# KiCad board S100-Backplane.kicad_pcb (continued)
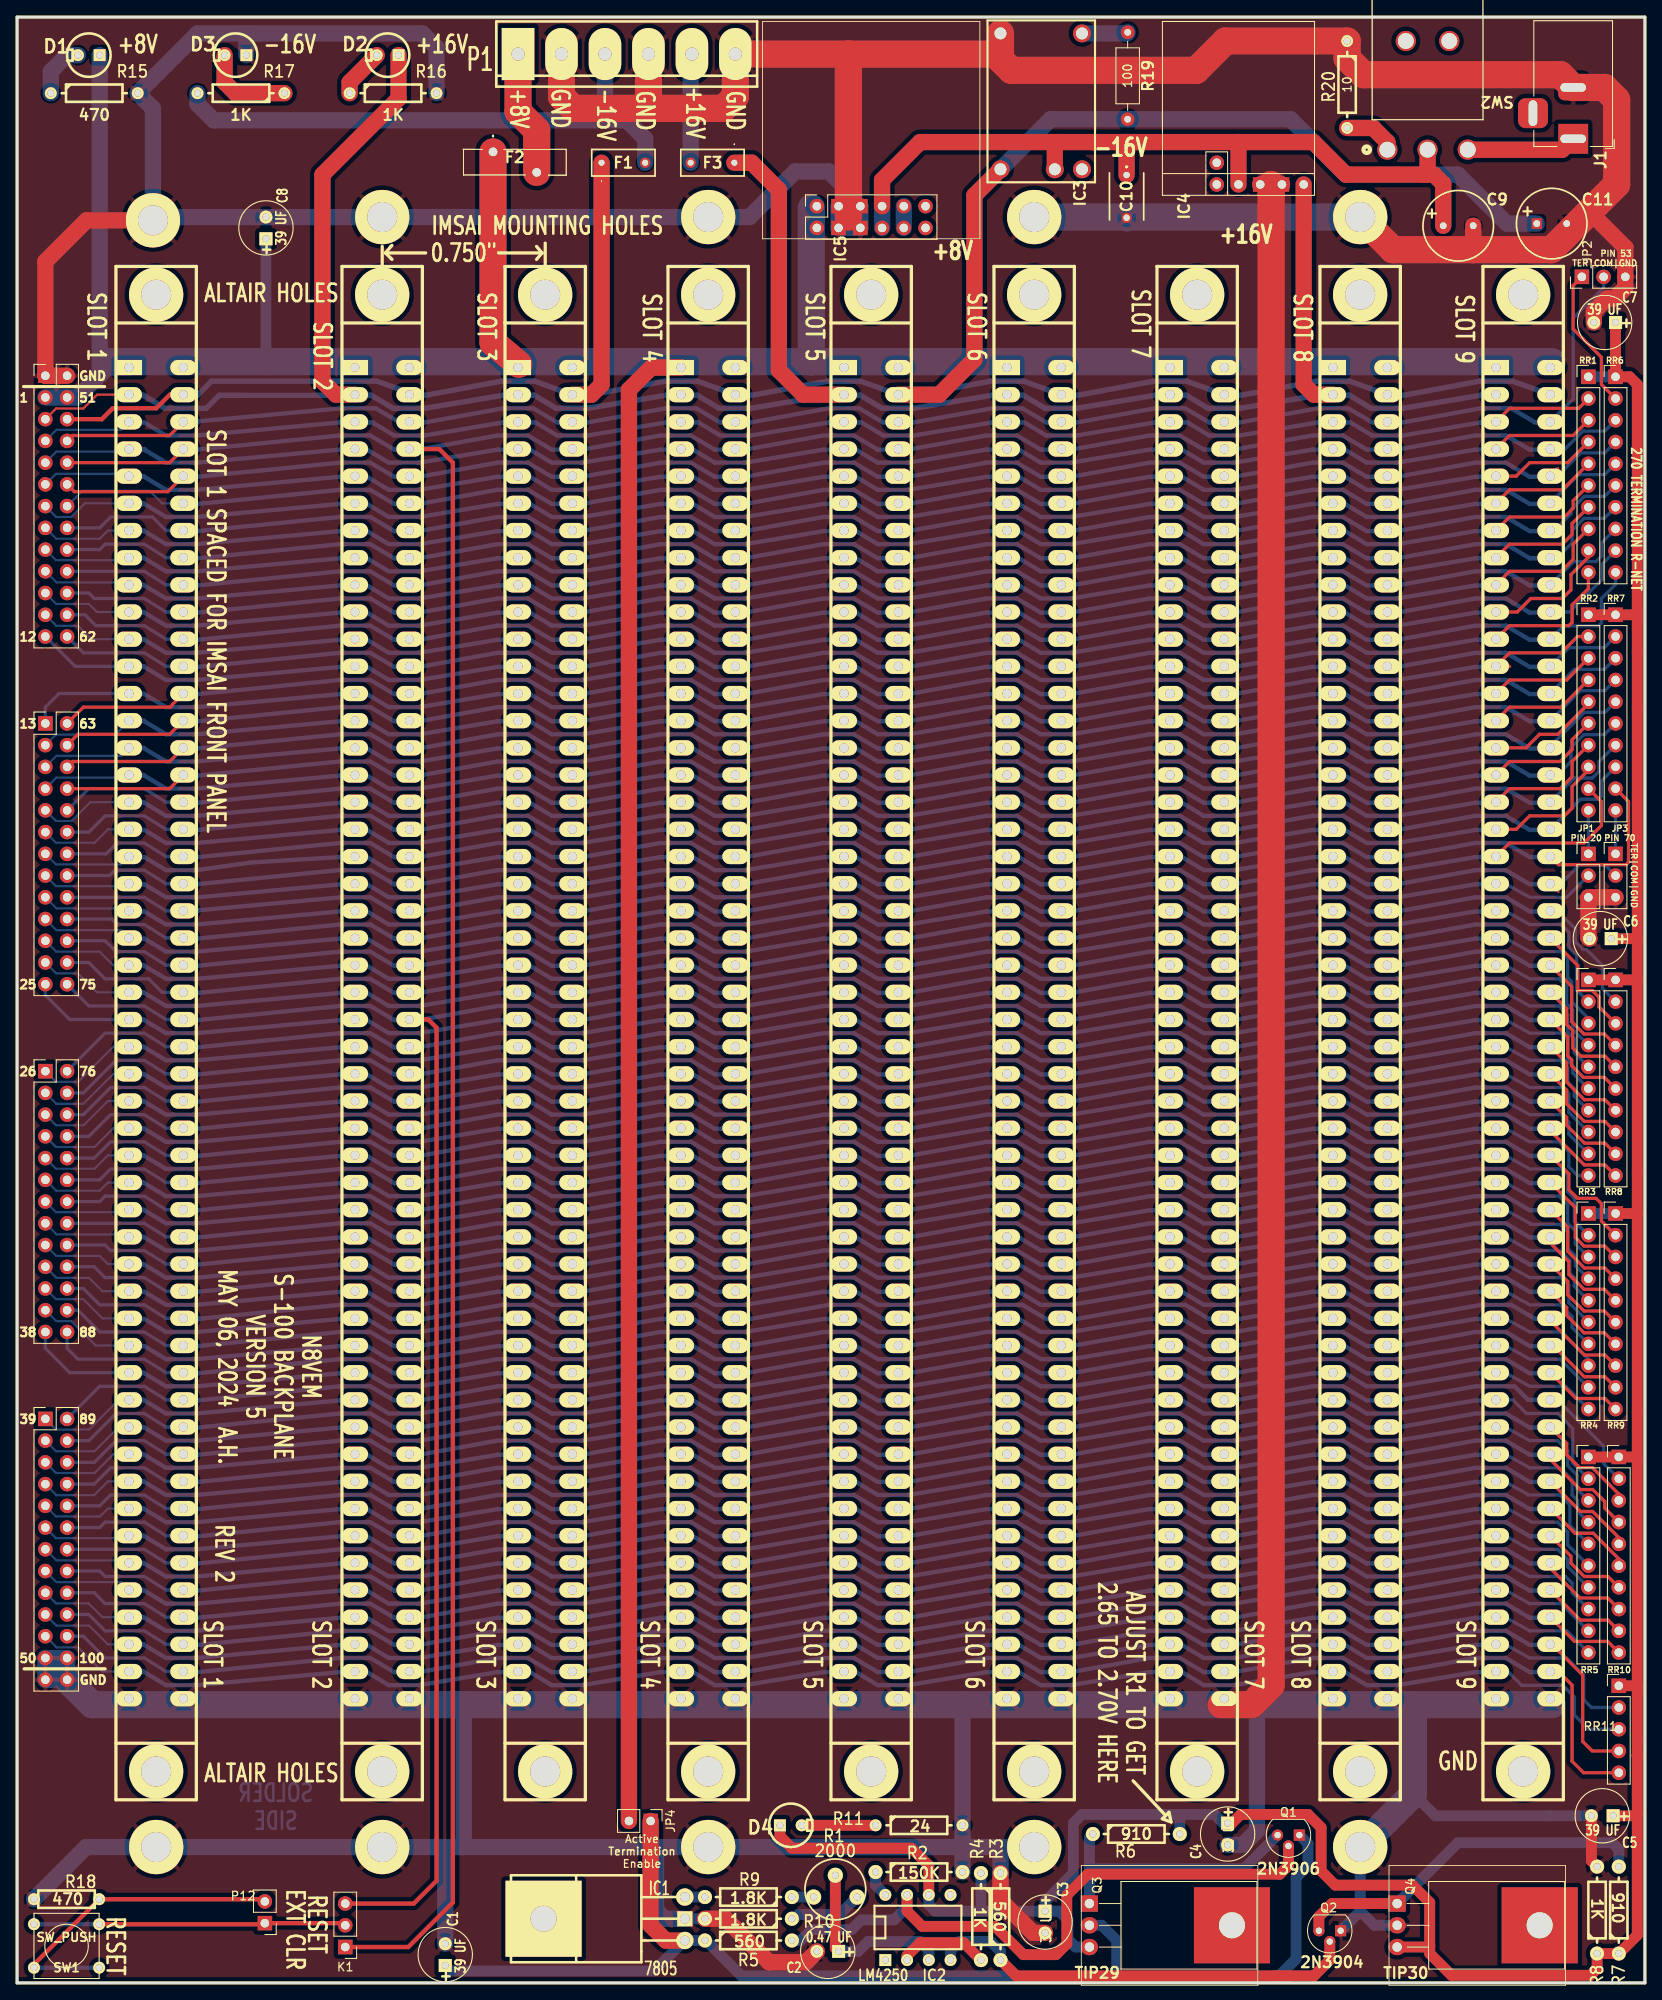
[diagram p0: board, top side]
## Routing (per net, layer and track width the routed paths; a pad name or vN(x,y) marks a point on that pad's centre or on a via; arc(x,y) is an arc through that point) (continued)
/DO6: length 193.4
  Copper w0.25: U31.40 11.88,64.97 9.05,62.13 4.54,62.13 P5.3
  Copper w0.381: 173.54,64.97 U39.40 173.93,64.96 176.78,63.37 180.05,63.37 181.23,62.2 181.23,60.45 182.32,59.36 182.32,57.71 183.64,56.39
  Copper w0.508: 153.16,64.9 155.19,64.9 157.73,63.37 161.29,63.37 170.43,64.9 172.21,64.9 172.21,64.97 ; 153.16,64.9 153.16,64.97 153.16,64.9 ; 153.16,64.9 151.38,64.9 142.24,63.37 138.68,63.37 136.14,64.9 134.11,64.9 ; 134.11,64.9 134.11,64.97 134.11,64.9 ; 134.11,64.9 132.33,64.9 123.19,63.37 119.63,63.37 117.09,64.9 115.06,64.9 ; 115.06,64.9 115.06,64.97 115.06,64.9 ; 115.06,64.9 113.28,64.9 104.14,63.37 100.58,63.37 98.04,64.9 96.01,64.9 ; 96.01,64.9 96.01,64.97 96.01,64.9 ; 96.01,64.9 94.23,64.9 85.09,63.37 81.53,63.37 78.99,64.9 76.96,64.9 ; 76.96,64.9 76.96,64.97 76.96,64.9 ; 76.96,64.9 75.18,64.9 66.04,63.37 62.48,63.37 59.94,64.9 57.91,64.9 ; 57.91,64.9 57.91,64.97 57.91,64.9 ; 57.91,64.9 56.13,64.9 46.99,63.37 43.43,63.37 40.89,64.9 38.86,64.9 38.86,64.97 ; U32.40 39.5,64.9 37.72,64.9 20.96,63.37 17.4,63.37 14.86,64.9 14.79,64.97 U31.40
/DO7: length 197.6
  Component w0.381: 179.51,64.97 U39.90 181.11,63.05 181.11,61.72 182.6,60.23 184.1,60.23 187.2,57.13 187.2,56.39
  Copper w0.381: 180.59,65.15 180.47,65.02 179.07,65.02 U39.90 ; 17.4,64.97 17.46,64.97 ; 17.4,64.97 U31.90 ; 17.4,64.97 14.86,66.55 11.56,66.55 8.38,63.37 P5.4
  Copper w0.508: 178.56,64.97 178.56,64.9 176.78,64.9 173.99,66.55 170.43,66.55 161.29,64.9 159.39,64.9 159.51,64.97 159.51,64.9 157.73,64.9 154.94,66.55 151.38,66.55 142.24,64.9 140.34,64.9 140.46,64.97 140.46,64.9 138.68,64.9 135.89,66.55 132.33,66.55 123.19,64.9 121.28,64.9 121.41,64.97 121.41,64.9 119.63,64.9 116.84,66.55 113.28,66.55 104.14,64.9 102.24,64.9 102.36,64.97 102.36,64.9 100.58,64.9 97.79,66.55 94.23,66.55 85.09,64.9 83.19,64.9 83.31,64.97 83.31,64.9 81.53,64.9 78.74,66.55 75.18,66.55 66.04,64.9 64.14,64.9 64.26,64.97 64.26,64.9 62.48,64.9 59.69,66.55 56.13,66.55 46.99,64.9 45.09,64.9 45.21,64.97 ; U32.90 45.85,64.9 44.07,64.9 41.28,66.55 37.72,66.55 21.08,64.9 19.05,64.9 19.17,64.97
/F+8V: length 451.5
  Component w0.508: 160.15,188.72 U38.51 ; 153.54,189.1 U38.1
  Component w1.905: 71.51,22.22 71.51,186.19 74.11,188.79 U34.1 ; JP4.2 71.51,21.98
  Component w3.175: 58.62,189.17 55.63,191.71 F2.1
  Copper w1.27: C8.1 29.08,189.96 29.57,189.47 29.87,189.78
  Copper w1.905: P2.3 P2.4 7.04,185.29 9.65,187.9 ; 9.65,187.9 10.54,188.79 U31.1 ; 9.65,187.9 D1.1
  Copper w3.175: 92.82,207.47 92.82,189.43 ; 179.42,189.47 10.42,189.47
/F+16V: length 289.6
  Component w0.25: P2.5 4.54,183.99 7.72,183.99 9.34,185.62 U31.2
  Component w1.905: D2.1 44.58,220.22 35.69,211.33 35.69,187.2 37.27,185.62 U32.2 ; F3.1 85.86,212.73 89.03,209.56 89.03,188.47 91.88,185.62 U35.2 ; IC4.5 150.37,186.82 151.57,185.62 U38.2
  Copper w0.635: U39.2 171.07,185.55 161.92,184.02 ; 161.92,184.02 162.05,184.02 ; 161.92,184.02 158.24,184.02 155.7,185.55 153.8,185.55 U38.2 152.02,185.55 142.88,184.02 ; 142.88,184.02 139.19,184.02 136.65,185.55 134.75,185.55 U37.2 132.97,185.55 123.83,184.02 ; 142.88,184.02 143,184.02 ; 123.83,184.02 123.95,184.02 ; 123.83,184.02 120.14,184.02 117.6,185.55 115.7,185.55 U36.2 113.92,185.55 104.78,184.02 ; 104.78,184.02 101.09,184.02 98.55,185.55 96.65,185.55 U35.2 94.87,185.55 85.72,184.02 ; 104.78,184.02 104.9,184.02 ; 85.72,184.02 85.85,184.02 ; 85.72,184.02 82.04,184.02 79.5,185.55 77.6,185.55 U34.2 75.82,185.55 66.68,184.02 ; 66.68,184.02 62.99,184.02 60.45,185.55 58.55,185.55 U33.2 56.77,185.55 47.62,184.02 ; 66.68,184.02 66.8,184.02 ; 47.62,184.02 47.75,184.02 ; 47.62,184.02 43.94,184.02 41.4,185.55 39.5,185.55 U32.2 37.59,185.54 ; 40.13,185.62 38.35,185.55 ; 20.83,184.02 20.96,184.02 17.27,184.02 14.73,185.55 12.83,185.55 ; 20.83,184.02 22.1,184.02 23.62,185.55 37.59,185.54 ; 20.83,184.02 21.08,184.02 ; 37.59,185.54 37.72,185.55
/F-16V: length 316
  Component w0.508: 179.13,185.62 U39.52 ; P2.6 9.91,182.75 11.18,184.02 16.26,184.02 17.85,185.62 U31.52
  Component w1.27: 122.05,185.67 U36.52
  Component w1.905: U33.52 67.12,185.62 68.31,186.8 F1.1 ; U35.52 107.76,185.62 111.89,189.74 111.89,208.92 IC3.1
  Copper w0.381: 180.34,185.55 179.2,185.55 U39.52
  Copper w0.635: U39.52 174.75,187.2 170.94,187.2 162.05,185.55 U38.52 ; 160.02,185.67 U38.52 ; U38.52 155.7,187.2 151.89,187.2 143,185.55 U37.52 ; U37.52 140.97,185.67 ; U37.52 136.65,187.2 132.84,187.2 123.95,185.55 U36.52 ; 121.92,185.67 U36.52 ; U36.52 117.6,187.2 113.79,187.2 104.9,185.55 U35.52 ; U35.52 102.87,185.67 ; U35.52 98.55,187.2 94.74,187.2 85.85,185.55 U34.52 ; 83.82,185.67 U34.52 ; U34.52 79.5,187.2 75.69,187.2 66.8,185.55 U33.52 ; U33.52 64.77,185.67 ; U33.52 60.45,187.2 56.64,187.2 47.75,185.55 U32.52 45.72,185.67 ; 46.48,185.62 42.04,187.2 38.1,187.2 ; 38.23,187.2 38.1,187.2 ; 38.1,187.2 22.73,187.2 21.08,185.55 19.17,185.62 19.05,185.67
  Copper w1.905: C11.1 174.12,205.61 168.4,211.33 155.32,211.33 148.84,217.81 R19.2 120.78,217.81 IC3.1
/FRDY(---): length 193.2
  Component w0.25: U39.58 179.47,166.85
  Component w0.381: 179.26,166.56 179.2,166.56 U39.58
  Copper w0.381: 17.4,166.57 14.86,168.15 10.29,168.15 9.65,167.51 P2.18 ; 17.4,166.57 U31.58 ; 17.4,166.57 17.46,166.57 ; RR6.7 185.52,171.17 183.13,171.17 181.74,169.78 181.74,168.28 180.03,166.57 U39.58
  Copper w0.508: 178.56,166.57 178.56,166.5 176.78,166.5 173.99,168.15 170.43,168.15 161.29,166.5 159.39,166.5 159.51,166.57 159.51,166.5 157.73,166.5 154.94,168.15 151.38,168.15 142.24,166.5 140.34,166.5 140.46,166.57 140.46,166.5 138.68,166.5 135.89,168.15 132.33,168.15 123.19,166.5 121.28,166.5 121.41,166.57 121.41,166.5 119.63,166.5 116.84,168.15 113.28,168.15 104.14,166.5 102.24,166.5 102.36,166.57 102.36,166.5 100.58,166.5 97.79,168.15 94.23,168.15 85.09,166.5 83.19,166.5 83.31,166.57 83.31,166.5 81.53,166.5 78.74,168.15 75.18,168.15 66.04,166.5 64.14,166.5 64.26,166.57 64.26,166.5 62.48,166.5 59.69,168.15 56.13,168.15 46.99,166.5 45.09,166.5 45.21,166.57 ; U32.58 45.85,166.5 44.07,166.5 41.28,168.15 37.72,168.15 21.08,166.5 19.05,166.5 19.17,166.57
/J_F+8V: length 145.9
  Component w1.905: JP4.1 74.05,6.73 75.82,4.95 IC1.VI
  Copper w1.27: Q3.2 126.75,6.73 128.52,4.95 128.52,0.83 ; 128.52,0.83 84.65,0.83 80.52,4.95 R5.1 77.98,4.95 74.42,1.4 50.67,1.4 C1.1 ; 128.52,0.83 147.07,0.83 ; Q1.1 150.88,16.26 150.88,13.72 149.48,12.32 149.48,2.79 147.51,0.83 147.07,0.83 ; 147.07,0.83 148.84,0.83
/J_PROT(GND): length 192.3
  Component w0.25: U39.70 180.15,127.51
  Copper w0.381: 179.07,128.4 U39.70 180.41,128.47 182.6,130.65 185.58,130.65 JP3.2 ; 17.4,128.47 14.86,130.05 11.43,130.05 10.8,129.41 P3.16 ; 17.4,128.47 U31.70 ; 17.4,128.47 17.46,128.47
  Copper w0.508: 178.56,128.47 178.56,128.4 176.78,128.4 173.99,130.05 170.43,130.05 161.29,128.4 159.39,128.4 159.51,128.47 159.51,128.4 157.73,128.4 154.94,130.05 151.38,130.05 142.24,128.4 140.34,128.4 140.46,128.47 140.46,128.4 138.68,128.4 135.89,130.05 132.33,130.05 123.19,128.4 121.28,128.4 121.41,128.47 121.41,128.4 119.63,128.4 116.84,130.05 113.28,130.05 104.14,128.4 102.24,128.4 102.36,128.47 102.36,128.4 100.58,128.4 97.79,130.05 94.23,130.05 85.09,128.4 83.19,128.4 83.31,128.47 83.31,128.4 81.53,128.4 78.74,130.05 75.18,130.05 66.04,128.4 64.14,128.4 64.26,128.47 64.26,128.4 62.48,128.4 59.69,130.05 56.13,130.05 46.99,128.4 45.09,128.4 45.21,128.47 ; U32.70 45.85,128.4 44.07,128.4 41.28,130.05 37.72,130.05 ; 19.17,128.47 19.05,128.4 21.08,128.4 ; 21.18,128.42 37.82,130.07
/J_UNPROT(T5): length 190.5
  Copper w0.25: U31.20 12.78,128.17 4.54,128.17 P3.15
  Copper w0.381: U39.20 173.54,128.47 U39.20 ; U39.20 173.93,128.46 ; U39.20 173.93,128.46 ; 173.93,128.46 176.78,126.87 181.1,126.87 JP1.2
  Copper w0.508: 172.21,128.47 172.21,128.4 170.43,128.4 161.29,126.87 157.73,126.87 155.19,128.4 153.16,128.4 ; 153.16,128.4 153.16,128.47 153.16,128.4 ; 153.16,128.4 151.38,128.4 142.24,126.87 138.68,126.87 136.14,128.4 134.11,128.4 ; 134.11,128.4 134.11,128.47 134.11,128.4 ; 134.11,128.4 132.33,128.4 123.19,126.87 119.63,126.87 117.09,128.4 115.06,128.4 ; 115.06,128.4 115.06,128.47 115.06,128.4 ; 115.06,128.4 113.28,128.4 104.14,126.87 100.58,126.87 98.04,128.4 96.01,128.4 ; 96.01,128.4 96.01,128.47 96.01,128.4 ; 96.01,128.4 94.23,128.4 85.09,126.87 81.53,126.87 78.99,128.4 76.96,128.4 ; 76.96,128.4 76.96,128.47 76.96,128.4 ; 76.96,128.4 75.18,128.4 66.04,126.87 62.48,126.87 59.94,128.4 57.91,128.4 ; 57.91,128.4 57.91,128.47 57.91,128.4 ; 57.91,128.4 56.13,128.4 46.99,126.87 43.43,126.87 40.89,128.4 38.86,128.4 38.86,128.47 ; 37.72,128.4 39.5,128.4 U32.20 ; 12.83,128.4 14.86,128.4 17.4,126.87 20.96,126.87 ; 37.85,128.4 21.08,126.87
/MWRT: length 196
  Component w0.381: U39.68 179.58,135.2
  Copper w0.381: 180.59,134.75 179.2,134.75 U39.68 182.71,138.33 184.81,138.33 185.17,138.68 185.17,140.46 RR7.8 ; 17.4,134.82 17.46,134.82 ; 17.4,134.82 U31.68 ; 17.4,134.82 14.86,136.4 10.29,136.4 8.38,134.49 P3.12
  Copper w0.508: 178.56,134.82 178.56,134.75 176.78,134.75 173.99,136.4 170.43,136.4 161.29,134.75 159.39,134.75 159.51,134.82 159.51,134.75 157.73,134.75 154.94,136.4 151.38,136.4 142.24,134.75 140.34,134.75 140.46,134.82 140.46,134.75 138.68,134.75 135.89,136.4 132.33,136.4 123.19,134.75 121.28,134.75 121.41,134.82 121.41,134.75 119.63,134.75 116.84,136.4 113.28,136.4 104.14,134.75 102.24,134.75 102.36,134.82 102.36,134.75 100.58,134.75 97.79,136.4 94.23,136.4 85.09,134.75 83.19,134.75 83.31,134.82 83.31,134.75 81.53,134.75 78.74,136.4 75.18,136.4 66.04,134.75 64.14,134.75 64.26,134.82 64.26,134.75 62.48,134.75 59.69,136.4 56.13,136.4 46.99,134.75 45.09,134.75 45.21,134.82 ; U32.68 45.85,134.75 44.07,134.75 41.28,136.4 37.72,136.4 21.08,134.75 19.05,134.75 19.17,134.82
/PDBIN: length 194.8
  Component w0.25: U39.78 179.55,102.71
  Component w0.381: 179.2,103.25 179.07,103.12 U39.78 ; U39.78 181.1,101.16 181.1,100.23 183.19,98.14 185.58,98.14 RR8.9 ; U39.78 179.47,103.35
  Copper w0.381: U31.78 17.4,103.07 ; 17.4,103.07 17.46,103.07 ; 17.4,103.07 14.86,104.65 10.92,104.65 7.75,101.47 P4.6
  Copper w0.508: 178.56,103.07 178.56,103 176.78,103 173.99,104.65 170.43,104.65 161.29,103 159.39,103 159.51,103.07 159.51,103 157.73,103 154.94,104.65 151.38,104.65 142.24,103 140.34,103 140.46,103.07 140.46,103 138.68,103 135.89,104.65 132.33,104.65 123.19,103 121.28,103 121.41,103.07 121.41,103 119.63,103 116.84,104.65 113.28,104.65 104.14,103 102.24,103 102.36,103.07 102.36,103 100.58,103 97.79,104.65 94.23,104.65 85.09,103 83.19,103 83.31,103.07 83.31,103 81.53,103 78.74,104.65 75.18,104.65 66.04,103 64.14,103 64.26,103.07 64.26,103 62.48,103 59.69,104.65 56.13,104.65 46.99,103 45.09,103 45.21,103.07 ; U32.78 45.85,103 44.07,103 41.28,104.65 37.72,104.65 21.08,103 19.05,103 19.17,103.07
/phi1: length 193.9
  Copper w0.381: 173.54,112.59 U39.25 173.93,112.59 176.78,111 180.47,111 181.23,110.24 181.23,107.76 181.81,107.17 181.81,106.35 RR3.6 ; U31.25 6.15,112.59 3.3,115.44 P3.25
  Copper w0.508: 172.21,112.59 172.21,112.52 170.43,112.52 161.29,111 157.73,111 155.19,112.52 153.16,112.52 ; 153.16,112.52 153.16,112.59 153.16,112.52 ; 153.16,112.52 151.38,112.52 142.24,111 138.68,111 136.14,112.52 134.11,112.52 ; 134.11,112.52 134.11,112.59 134.11,112.52 ; 134.11,112.52 132.33,112.52 123.19,111 119.63,111 117.09,112.52 115.06,112.52 ; 115.06,112.52 115.06,112.59 115.06,112.52 ; 115.06,112.52 113.28,112.52 104.14,111 100.58,111 98.04,112.52 96.01,112.52 ; 96.01,112.52 96.01,112.59 96.01,112.52 ; 96.01,112.52 94.23,112.52 85.09,111 81.53,111 78.99,112.52 76.96,112.52 ; 76.96,112.52 76.96,112.59 76.96,112.52 ; 76.96,112.52 75.18,112.52 66.04,111 62.48,111 59.94,112.52 57.91,112.52 ; 57.91,112.52 57.91,112.59 57.91,112.52 ; 57.91,112.52 56.13,112.52 46.99,111 43.43,111 40.89,112.52 38.86,112.52 38.86,112.59 ; U32.25 39.5,112.52 37.72,112.52 20.96,111 17.4,111 14.86,112.52 14.79,112.59 U31.25
/phi2: length 193.4
  Copper w0.25: P3.23 4.57,117.98 7.11,117.98 9.33,115.77 U31.24
  Copper w0.381: 173.54,115.77 U39.24 173.93,115.76 176.78,114.17 180.21,114.17 181.23,113.16 181.23,111.12 181.99,110.36 181.99,108.71 RR3.5
  Copper w0.508: 153.16,115.7 155.19,115.7 157.73,114.17 161.29,114.17 170.43,115.7 172.21,115.7 172.21,115.77 ; 153.16,115.7 153.16,115.77 153.16,115.7 ; 153.16,115.7 151.38,115.7 142.24,114.17 138.68,114.17 136.14,115.7 134.11,115.7 ; 134.11,115.7 134.11,115.77 134.11,115.7 ; 134.11,115.7 132.33,115.7 123.19,114.17 119.63,114.17 117.09,115.7 115.06,115.7 ; 115.06,115.7 115.06,115.77 115.06,115.7 ; 115.06,115.7 113.28,115.7 104.14,114.17 100.58,114.17 98.04,115.7 96.01,115.7 ; 96.01,115.7 96.01,115.77 96.01,115.7 ; 96.01,115.7 94.23,115.7 85.09,114.17 81.53,114.17 78.99,115.7 76.96,115.7 ; 76.96,115.7 76.96,115.77 76.96,115.7 ; 76.96,115.7 75.18,115.7 66.04,114.17 62.48,114.17 59.94,115.7 57.91,115.7 ; 57.91,115.7 57.91,115.77 57.91,115.7 ; 57.91,115.7 56.13,115.7 46.99,114.17 43.43,114.17 40.89,115.7 38.86,115.7 38.86,115.77 ; U32.24 39.5,115.7 37.72,115.7 20.96,114.17 17.4,114.17 14.86,115.7 14.79,115.77 U31.24
/PHLDA: length 193
  Copper w0.25: U31.26 11.24,109.42 7.14,105.31 4.54,105.31 P4.1
  Copper w0.381: 173.54,109.42 U39.26 173.93,109.41 176.78,107.82 180.34,107.82 181.23,106.93 181.23,105.28 181.99,104.52 181.99,103.63 RR3.7
  Copper w0.508: 172.21,109.42 172.21,109.35 170.43,109.35 161.29,107.82 157.73,107.82 155.19,109.35 153.16,109.35 ; 153.16,109.35 153.16,109.42 153.16,109.35 ; 153.16,109.35 151.38,109.35 142.24,107.82 138.68,107.82 136.14,109.35 134.11,109.35 ; 134.11,109.35 134.11,109.42 134.11,109.35 ; 134.11,109.35 132.33,109.35 123.19,107.82 119.63,107.82 117.09,109.35 115.06,109.35 ; 115.06,109.35 115.06,109.42 115.06,109.35 ; 115.06,109.35 113.28,109.35 104.14,107.82 100.58,107.82 98.04,109.35 96.01,109.35 ; 96.01,109.35 96.01,109.42 96.01,109.35 ; 96.01,109.35 94.23,109.35 85.09,107.82 81.53,107.82 78.99,109.35 76.96,109.35 ; 76.96,109.35 76.96,109.42 76.96,109.35 ; 76.96,109.35 75.18,109.35 66.04,107.82 62.48,107.82 59.94,109.35 57.91,109.35 ; 57.91,109.35 57.91,109.42 57.91,109.35 ; 57.91,109.35 56.13,109.35 46.99,107.82 43.43,107.82 40.89,109.35 38.86,109.35 38.86,109.42 ; U32.26 39.5,109.35 37.72,109.35 20.96,107.82 17.4,107.82 14.86,109.35 14.79,109.42 U31.26
/pin_12: length 192
  Component w0.381: 174.43,153.87 U39.12 174.42,155.45 180.47,155.45 182.37,157.35 RR2.2
  Copper w0.381: 173.93,153.86 U39.12 173.54,153.87 ; U31.12 6.79,153.87 P2.25
  Copper w0.508: 172.21,153.87 172.21,153.8 170.43,153.8 161.29,152.27 157.73,152.27 155.19,153.8 153.16,153.8 ; 153.16,153.8 153.16,153.87 153.16,153.8 ; 153.16,153.8 151.38,153.8 142.24,152.27 138.68,152.27 136.14,153.8 134.11,153.8 ; 134.11,153.8 134.11,153.87 134.11,153.8 ; 134.11,153.8 132.33,153.8 123.19,152.27 119.63,152.27 117.09,153.8 115.06,153.8 ; 115.06,153.8 115.06,153.87 115.06,153.8 ; 115.06,153.8 113.28,153.8 104.14,152.27 100.58,152.27 98.04,153.8 96.01,153.8 ; 96.01,153.8 96.01,153.87 96.01,153.8 ; 96.01,153.8 94.23,153.8 85.09,152.27 81.53,152.27 78.99,153.8 76.96,153.8 ; 76.96,153.8 76.96,153.87 76.96,153.8 ; 76.96,153.8 75.18,153.8 66.04,152.27 62.48,152.27 59.94,153.8 57.91,153.8 ; 57.91,153.8 57.91,153.87 57.91,153.8 ; 57.91,153.8 56.13,153.8 46.99,152.27 43.43,152.27 40.89,153.8 38.86,153.8 38.86,153.87 ; U32.12 39.5,153.8 37.72,153.8 20.96,152.27 17.4,152.27 14.86,153.8 14.79,153.87 U31.12
/pin_13: length 191.8
  Component w0.381: RR2.3 181.1,152.27 174.42,152.27 U39.13
  Copper w0.381: 173.54,150.69 U39.13 173.93,150.69 ; 14.79,150.69 U31.13 4.89,150.69 3.3,149.1 P3.1
  Copper w0.508: 153.16,150.62 155.19,150.62 157.73,149.1 161.29,149.1 170.43,150.62 172.21,150.62 172.21,150.69 ; 153.16,150.62 153.16,150.69 153.16,150.62 ; 153.16,150.62 151.38,150.62 142.24,149.1 138.68,149.1 136.14,150.62 134.11,150.62 ; 134.11,150.62 134.11,150.69 134.11,150.62 ; 134.11,150.62 132.33,150.62 123.19,149.1 119.63,149.1 117.09,150.62 115.06,150.62 ; 115.06,150.62 115.06,150.69 115.06,150.62 ; 115.06,150.62 113.28,150.62 104.14,149.1 100.58,149.1 98.04,150.62 96.01,150.62 ; 96.01,150.62 96.01,150.69 96.01,150.62 ; 96.01,150.62 94.23,150.62 85.09,149.1 81.53,149.1 78.99,150.62 76.96,150.62 ; 76.96,150.62 76.96,150.69 76.96,150.62 ; 76.96,150.62 75.18,150.62 66.04,149.1 62.48,149.1 59.94,150.62 57.91,150.62 ; 57.91,150.62 57.91,150.69 57.91,150.62 ; 57.91,150.62 56.13,150.62 46.99,149.1 43.43,149.1 40.89,150.62 38.86,150.62 38.86,150.69 ; U32.13 39.5,150.62 37.72,150.62 20.96,149.1 17.4,149.1 14.86,150.62 14.79,150.69
/pin_14: length 190.7
  Component w0.381: RR2.4 180.47,149.1 174.42,149.1 U39.14
  Copper w0.25: P3.3 4.54,145.89 11.45,145.89 U31.14
  Copper w0.381: 173.93,147.51 U39.14 173.54,147.52
  Copper w0.508: 153.16,147.45 155.19,147.45 157.73,145.92 161.29,145.92 170.43,147.45 172.21,147.45 172.21,147.52 ; 153.16,147.45 153.16,147.52 153.16,147.45 ; 153.16,147.45 151.38,147.45 142.24,145.92 138.68,145.92 136.14,147.45 134.11,147.45 ; 134.11,147.45 134.11,147.52 134.11,147.45 ; 134.11,147.45 132.33,147.45 123.19,145.92 119.63,145.92 117.09,147.45 115.06,147.45 ; 115.06,147.45 115.06,147.52 115.06,147.45 ; 115.06,147.45 113.28,147.45 104.14,145.92 100.58,145.92 98.04,147.45 96.01,147.45 ; 96.01,147.45 96.01,147.52 96.01,147.45 ; 96.01,147.45 94.23,147.45 85.09,145.92 81.53,145.92 78.99,147.45 76.96,147.45 ; 76.96,147.45 76.96,147.52 76.96,147.45 ; 76.96,147.45 75.18,147.45 66.04,145.92 62.48,145.92 59.94,147.45 57.91,147.45 ; 57.91,147.45 57.91,147.52 57.91,147.45 ; 57.91,147.45 56.13,147.45 46.99,145.92 43.43,145.92 40.89,147.45 38.86,147.45 38.86,147.52 ; U32.14 39.5,147.45 37.72,147.45 20.96,145.92 17.4,145.92 14.86,147.45 14.79,147.52 U31.14
/pin_15: length 189
  Component w0.381: U39.15 176.34,144.34 177.93,145.92 180.09,145.92 183.64,149.48 RR2.5
  Copper w0.25: U31.15 12.15,143.41 4.6,143.41 P3.5
  Copper w0.508: 172.21,144.34 172.21,144.27 170.43,144.27 161.29,142.75 157.73,142.75 155.19,144.27 153.16,144.27 ; 153.16,144.27 153.16,144.34 153.16,144.27 ; 153.16,144.27 151.38,144.27 142.24,142.75 138.68,142.75 136.14,144.27 134.11,144.27 ; 134.11,144.27 134.11,144.34 134.11,144.27 ; 134.11,144.27 132.33,144.27 123.19,142.75 119.63,142.75 117.09,144.27 115.06,144.27 ; 115.06,144.27 115.06,144.34 115.06,144.27 ; 115.06,144.27 113.28,144.27 104.14,142.75 100.58,142.75 98.04,144.27 96.01,144.27 ; 96.01,144.27 96.01,144.34 96.01,144.27 ; 96.01,144.27 94.23,144.27 85.09,142.75 81.53,142.75 78.99,144.27 76.96,144.27 ; 76.96,144.27 76.96,144.34 76.96,144.27 ; 76.96,144.27 75.18,144.27 66.04,142.75 62.48,142.75 59.94,144.27 57.91,144.27 ; 57.91,144.27 57.91,144.34 57.91,144.27 ; 57.91,144.27 56.13,144.27 46.99,142.75 43.43,142.75 40.89,144.27 38.86,144.27 38.86,144.34 ; U32.15 39.5,144.27 37.72,144.27 20.96,142.75 17.4,142.75 14.86,144.27 14.79,144.34 U31.15
/pin_16: length 189.6
  Component w0.381: U39.16 174.42,142.75 180.34,142.75 181.74,144.15 181.74,145.29 RR2.6
  Copper w0.25: P3.7 4.6,140.87 12.78,140.87 U31.16
  Copper w0.508: 153.16,141.1 155.19,141.1 157.73,139.57 161.29,139.57 170.43,141.1 172.21,141.1 172.21,141.17 ; 153.16,141.1 153.16,141.17 153.16,141.1 ; 153.16,141.1 151.38,141.1 142.24,139.57 138.68,139.57 136.14,141.1 134.11,141.1 ; 134.11,141.1 134.11,141.17 134.11,141.1 ; 134.11,141.1 132.33,141.1 123.19,139.57 119.63,139.57 117.09,141.1 115.06,141.1 ; 115.06,141.1 115.06,141.17 115.06,141.1 ; 115.06,141.1 113.28,141.1 104.14,139.57 100.58,139.57 98.04,141.1 96.01,141.1 ; 96.01,141.1 96.01,141.17 96.01,141.1 ; 96.01,141.1 94.23,141.1 85.09,139.57 81.53,139.57 78.99,141.1 76.96,141.1 ; 76.96,141.1 76.96,141.17 76.96,141.1 ; 76.96,141.1 75.18,141.1 66.04,139.57 62.48,139.57 59.94,141.1 57.91,141.1 ; 57.91,141.1 57.91,141.17 57.91,141.1 ; 57.91,141.1 56.13,141.1 46.99,139.57 43.43,139.57 40.89,141.1 38.86,141.1 38.86,141.17 ; U32.16 39.5,141.1 37.72,141.1 20.96,139.57 17.4,139.57 14.86,141.1 14.79,141.17 U31.16
/pin_17: length 192.7
  Component w0.381: RR2.7 181.74,142.75 181.74,140.97 180.34,139.57 174.42,139.57 U39.17
  Copper w0.25: P3.9 4.54,135.79 6.36,135.79 8.55,137.99 U31.17
  Copper w0.381: 173.93,137.99 U39.17 173.54,137.99
  Copper w0.508: 172.21,137.99 172.21,137.92 170.43,137.92 161.29,136.4 157.73,136.4 155.19,137.92 153.16,137.92 ; 153.16,137.92 153.16,137.99 153.16,137.92 ; 153.16,137.92 151.38,137.92 142.24,136.4 138.68,136.4 136.14,137.92 134.11,137.92 ; 134.11,137.92 134.11,137.99 134.11,137.92 ; 134.11,137.92 132.33,137.92 123.19,136.4 119.63,136.4 117.09,137.92 115.06,137.92 ; 115.06,137.92 115.06,137.99 115.06,137.92 ; 115.06,137.92 113.28,137.92 104.14,136.4 100.58,136.4 98.04,137.92 96.01,137.92 ; 96.01,137.92 96.01,137.99 96.01,137.92 ; 96.01,137.92 94.23,137.92 85.09,136.4 81.53,136.4 78.99,137.92 76.96,137.92 ; 76.96,137.92 76.96,137.99 76.96,137.92 ; 76.96,137.92 75.18,137.92 66.04,136.4 62.48,136.4 59.94,137.92 57.91,137.92 ; 57.91,137.92 57.91,137.99 57.91,137.92 ; 57.91,137.92 56.13,137.92 46.99,136.4 43.43,136.4 40.89,137.92 38.86,137.92 38.86,137.99 ; U32.17 39.5,137.92 37.72,137.92 20.96,136.4 17.4,136.4 14.86,137.92 14.79,137.99 U31.17
/pin_59: length 192.8
  Component w0.381: 179.2,163.39 U39.59
  Copper w0.381: 17.4,163.39 14.86,164.97 P2.20 ; 17.4,163.39 U31.59 ; 17.4,163.39 17.46,163.39 ; U39.59 181.92,166.12 184.53,166.12 185.17,166.75 185.17,168.28 RR6.8
  Copper w0.508: 178.56,163.39 178.56,163.32 176.78,163.32 173.99,164.97 170.43,164.97 161.29,163.32 159.39,163.32 159.51,163.39 159.51,163.32 157.73,163.32 154.94,164.97 151.38,164.97 142.24,163.32 140.34,163.32 140.46,163.39 140.46,163.32 138.68,163.32 135.89,164.97 132.33,164.97 123.19,163.32 121.28,163.32 121.41,163.39 121.41,163.32 119.63,163.32 116.84,164.97 113.28,164.97 104.14,163.32 102.24,163.32 102.36,163.39 102.36,163.32 100.58,163.32 97.79,164.97 94.23,164.97 85.09,163.32 83.19,163.32 83.31,163.39 83.31,163.32 81.53,163.32 78.74,164.97 75.18,164.97 66.04,163.32 64.14,163.32 64.26,163.39 64.26,163.32 62.48,163.32 59.69,164.97 56.13,164.97 46.99,163.32 45.09,163.32 45.21,163.39 ; U32.59 45.85,163.32 44.07,163.32 41.28,164.97 37.72,164.97 21.08,163.32 19.05,163.32 19.17,163.39
/pin_60: length 194.4
  Component w0.381: 180.15,160.21 179.2,160.21 U39.60
  Copper w0.381: 17.4,160.22 17.46,160.22 ; 17.4,160.22 U31.60 ; 17.4,160.22 14.86,161.8 9.02,161.8 8.38,162.43 P2.22 ; U39.60 181.42,160.22 185.29,164.08 185.29,165.86 RR6.9
  Copper w0.508: 178.56,160.22 178.56,160.15 176.78,160.15 173.99,161.8 170.43,161.8 161.29,160.15 159.39,160.15 159.51,160.22 159.51,160.15 157.73,160.15 154.94,161.8 151.38,161.8 142.24,160.15 140.34,160.15 140.46,160.22 140.46,160.15 138.68,160.15 135.89,161.8 132.33,161.8 123.19,160.15 121.28,160.15 121.41,160.22 121.41,160.15 119.63,160.15 116.84,161.8 113.28,161.8 104.14,160.15 102.24,160.15 102.36,160.22 102.36,160.15 100.58,160.15 97.79,161.8 94.23,161.8 85.09,160.15 83.19,160.15 83.31,160.22 83.31,160.15 81.53,160.15 78.74,161.8 75.18,161.8 66.04,160.15 64.14,160.15 64.26,160.22 64.26,160.15 62.48,160.15 59.69,161.8 56.13,161.8 46.99,160.15 45.09,160.15 45.21,160.22 ; U32.60 45.85,160.15 44.07,160.15 41.28,161.8 37.72,161.8 21.08,160.15 19.05,160.15 19.17,160.22
/pin_61: length 195.9
  Component w0.381: 179.58,157.04 179.13,157.04 U39.61
  Copper w0.381: 17.4,157.04 17.46,157.04 ; 17.4,157.04 U31.61 ; 17.4,157.04 14.86,158.62 9.2,158.62 7.93,159.89 P2.24 ; U39.61 180.74,158.59 184.82,158.59 185.17,158.94 185.17,161.8 186.82,163.45 RR6.10
  Copper w0.508: 178.56,157.04 178.56,156.97 176.78,156.97 173.99,158.62 170.43,158.62 161.29,156.97 159.39,156.97 159.51,157.04 159.51,156.97 157.73,156.97 154.94,158.62 151.38,158.62 142.24,156.97 140.34,156.97 140.46,157.04 140.46,156.97 138.68,156.97 135.89,158.62 132.33,158.62 123.19,156.97 121.28,156.97 121.41,157.04 121.41,156.97 119.63,156.97 116.84,158.62 113.28,158.62 104.14,156.97 102.24,156.97 102.36,157.04 102.36,156.97 100.58,156.97 97.79,158.62 94.23,158.62 85.09,156.97 83.19,156.97 83.31,157.04 83.31,156.97 81.53,156.97 78.74,158.62 75.18,158.62 66.04,156.97 64.14,156.97 64.26,157.04 64.26,156.97 62.48,156.97 59.69,158.62 56.13,158.62 46.99,156.97 45.09,156.97 45.21,157.04 ; U32.61 45.85,156.97 44.07,156.97 41.28,158.62 37.72,158.62 21.08,156.97 19.05,156.97 19.17,157.04
/pin_62: length 191.5
  Component w0.381: 179.32,153.86 179.2,153.86 U39.62
  Copper w0.381: 17.4,153.87 14.86,155.45 7.75,155.45 P2.26 ; 17.4,153.87 U31.62 ; 17.4,153.87 17.46,153.87 ; RR7.2 185.52,156.05 181.38,156.05 U39.62
  Copper w0.508: 178.56,153.87 178.56,153.8 176.78,153.8 173.99,155.45 170.43,155.45 161.29,153.8 159.39,153.8 159.51,153.87 159.51,153.8 157.73,153.8 154.94,155.45 151.38,155.45 142.24,153.8 140.34,153.8 140.46,153.87 140.46,153.8 138.68,153.8 135.89,155.45 132.33,155.45 123.19,153.8 121.28,153.8 121.41,153.87 121.41,153.8 119.63,153.8 116.84,155.45 113.28,155.45 104.14,153.8 102.24,153.8 102.36,153.87 102.36,153.8 100.58,153.8 97.79,155.45 94.23,155.45 85.09,153.8 83.19,153.8 83.31,153.87 83.31,153.8 81.53,153.8 78.74,155.45 75.18,155.45 66.04,153.8 64.14,153.8 64.26,153.87 64.26,153.8 62.48,153.8 59.69,155.45 56.13,155.45 46.99,153.8 45.09,153.8 45.21,153.87 ; U32.62 45.85,153.8 44.07,153.8 41.28,155.45 37.72,155.45 21.08,153.8 19.05,153.8 19.17,153.87
